# Altium PCB LORAGATEWAY.PcbDoc (part 2 of 2) (continued)
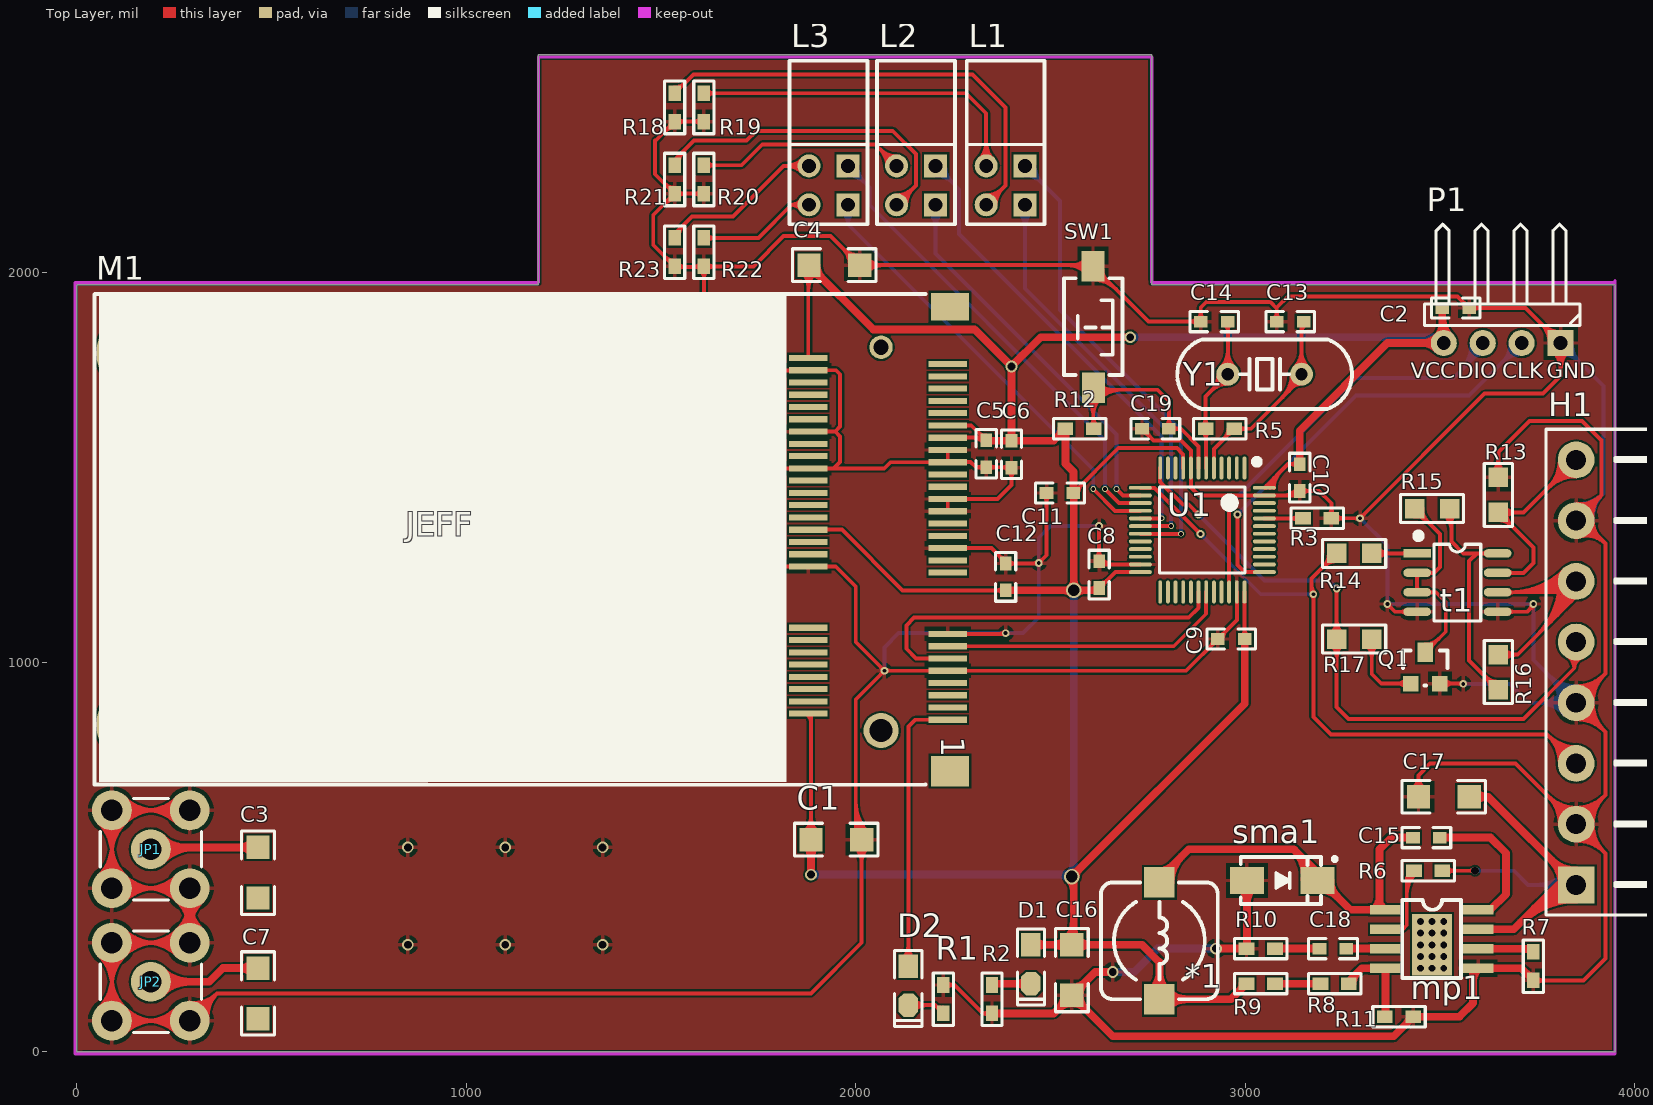
[diagram p0: Top Layer view]
## Nets (pads, with @x,y where several pads share a name; then routed paths per layer and width w, separated by ;. In a path a pad name is that pad's centre, name@x,y a point inside that pad or via, vN(x,y) a via of type N, cw(c..) or ccw(c..) an arc to the next point about the centre after c; other vN are vias at no path point) (continued)
Net*1_1: *1.1 C15.2 mp1.1 sma1.2 | length 1393.6
  Top Layer w20: *1.1@2779.68,435 2779.68,444.68 2855,520 3125,520 ; *1.1@2779.68,464.37 ccw(c2779.68,511.89) 2813.29,478.29 ; *1.1@2789.06,435 cw(c2835.06,435) *1.1@2802.53,467.53 ; *1.1@2809.06,435 cw(c2903.34,435) 2836.67,501.67 ; sma1.2@3152.38,442.58 ccw(c3057.63,452.62) 3125,520 ; 3154.62,490.38 cw(c3111.18,446.94) sma1.2@3172.27,440.47 ; sma1.2@3194.41,415.55 cw(c3194.41,355.1) 3237.15,397.85 ; sma1.2@3218.86,440 ccw(c3276.46,440) 3235.73,399.27 ; mp1.1@3331.16,365.97 ccw(c3297.75,399.38) 3345,399.38 ; mp1.1@3332.36,366.49 ccw(c3331.8,379.68) 3345,379.68 ; mp1.1@3360,364.68 mp1.1@3359.69,365 ; C15.2@3431,550 3375,550 3345,520 3345,379.68 ; 3125,520 3185.55,459.45 sma1.2@3185.55,440 3195,440 3270,365 mp1.1@3359.69,365 ; 3345,379.68 mp1.1@3359.69,365
NetC15_1: C15.1 mp1.8 | length 380.2
  Top Layer w20: C15.1@3500,550 3630,550 3670,510 3670,405 3629.69,364.68 mp1.8@3598.11,364.68
NetC18_1: C18.1 mp1.3 | length 99.7
  Top Layer w20: C18.1@3260,265 mp1.3@3359.68,265
NetC18_2: C18.2 R10.1 | length 114.5
  Top Layer w20: R10.1@3076.5,265 C18.2@3191,265
NetD1_2: D1.2 R2.1 | length 158.3
  Top Layer w20: R2.1@2350,171.5 2353.5,175 D1.2@2450,175 ; D1.2@2439.39,164.39 ccw(c2413.79,138.79) 2413.79,175 ccw(c2413.79,211.21) D1.2@2439.39,185.61
NetD2_1: D2.1 M1.1 | length 799.4
  Top Layer w10: D2.1@2120.86,239.14 ccw(c2086.72,273.28) 2135,273.28 ccw(c2183.28,273.28) D2.1@2149.14,239.14 ; D2.1@2135,220 2135,835 2152.56,852.56 M1.1@2236.26,852.56
NetD2_2: D2.2 R1.1 | length 208.9
  Top Layer w10: D2.2@2135,120 2203.5,120 ; D2.2@2149.14,105.86 cw(c2183.28,71.72) 2183.28,120 cw(c2183.28,168.28) D2.2@2149.14,134.14 ; R1.1@2209.66,113.84 cw(c2198.57,102.75) R1.1@2214.25,102.75 ; R1.1@2223.45,113.39 cw(c2220.06,136.56) 2203.5,120 ; R1.1@2225,98.5 2203.5,120
NetD3_2: L2.4 R20.2 | length 728.8
  Top Layer w10: R20.2@1610,2276.5 1706.5,2276.5 1760,2330 2050,2330 L2.4@2105,2275 ; R20.2@1617.6,2268.9 cw(c1635.95,2250.55) 1635.95,2276.5 cw(c1635.95,2302.45) R20.2@1617.6,2284.1 ; L2.4@2080.47,2275 ccw(c2021.26,2275) 2063.13,2316.87 ccw(c2105,2358.74) L2.4@2105,2299.53 ; L2.4@2090.47,2275 ccw(c2055.4,2275) 2080.2,2299.8 ccw(c2105,2324.6) L2.4@2105,2289.53
NetL1_1: L1.4 R19.1 | length 1070.2
  Top Layer w10: R19.1@1610,2461.5 2283.5,2461.5 2335,2410 L1.4@2335,2275 ; R19.1@1617.6,2453.9 cw(c1635.95,2435.55) 1635.95,2461.5 cw(c1635.95,2487.45) R19.1@1617.6,2469.1 ; L1.4@2317.66,2292.34 ccw(c2275.79,2334.21) 2335,2334.21 ccw(c2394.21,2334.21) L1.4@2352.34,2292.34 ; L1.4@2324.73,2285.27 ccw(c2299.93,2310.07) 2335,2310.07 ccw(c2370.07,2310.07) L1.4@2345.27,2285.27
NetL1_2: L1.2 R18.1 | length 1364.9
  Top Layer w10: R18.1@1535,2461.5 1583.5,2510 2300,2510 2385,2425 2385,2225 L1.2@2335,2175 ; R18.1@1535,2476.5 ccw(c1535,2512.71) 1560.61,2487.11 ; R18.1@1545.75,2465.75 cw(c1561.43,2465.75) R18.1@1550.34,2476.84 ; L1.2@2335,2189.53 ccw(c2335,2224.6) 2359.8,2199.8 ccw(c2384.6,2175) L1.2@2349.53,2175 ; L1.2@2335,2199.53 ccw(c2335,2258.74) 2376.87,2216.87 ccw(c2418.74,2175) L1.2@2359.53,2175
NetL2_1: L3.4 R23.2 | length 616.4
  Top Layer w10: R23.2@1535,2090 1535,2100 1580,2145 1685,2145 1815,2275 L3.4@1880,2275 ; R23.2@1535,2105 ccw(c1535,2117.07) R23.2@1543.54,2108.54 ; R23.2@1545.75,2094.25 cw(c1585.57,2094.25) 1557.41,2122.41 ; L3.4@1862.66,2257.66 ccw(c1820.79,2215.79) 1820.79,2275 ccw(c1820.79,2334.21) L3.4@1862.66,2292.34 ; L3.4@1869.73,2264.73 ccw(c1844.93,2239.93) 1844.93,2275 ccw(c1844.93,2310.07) L3.4@1869.73,2285.27
NetL2_2: L2.2 R21.2 | length 1045.1
  Top Layer w10: R21.2@1535,2276.5 1535,2290 1585,2340 1720,2340 1745,2365 2095,2365 2155,2305 2155,2225 L2.2@2105,2175 ; R21.2@1535.75,2280.75 cw(c1559.88,2280.75) 1542.82,2297.82 ; R21.2@1545.75,2280.75 cw(c1594.02,2280.75) 1559.89,2314.89 ; L2.2@2105,2189.53 ccw(c2105,2224.6) 2129.8,2199.8 ccw(c2154.6,2175) L2.2@2119.53,2175 ; L2.2@2105,2199.53 ccw(c2105,2258.74) 2146.87,2216.87 ccw(c2188.74,2175) L2.2@2129.53,2175
NetL3_1: L3.2 R22.2 | length 403.9
  Top Layer w10: R22.2@1610,2090 1750,2090 1835,2175 ; R22.2@1617.6,2082.4 cw(c1635.95,2064.05) 1635.95,2090 cw(c1635.95,2115.95) R22.2@1617.6,2097.6 ; L3.2@1859.39,2161.71 ccw(c1835,2145.99) 1835,2175 ; L3.2@1859.39,2188.29 cw(c1835,2204.01) 1835,2175 ; L3.2@1880,2175 1835,2175
NetM1_34: 
Netmp1_2: mp1.2 R6.2 | length 360
  Top Layer w10: mp1.2@3360,314.68 3360.31,315 3405,315 3415,325 3415,446.5 ; mp1.2@3392.38,309.87 cw(c3404.76,297.48) 3404.76,315 ; mp1.2@3392.38,319.5 ccw(c3403.24,330.37) 3403.24,315 ; 3415,404.65 cw(c3489.59,404.65) R6.2@3436.85,457.4 ; 3415,428.8 cw(c3465.45,428.8) R6.2@3429.78,464.47 ; R6.2@3418.16,449.66 cw(c3429.25,438.57) R6.2@3429.25,454.25 ; R6.2@3418.94,461.96 cw(c3403.96,457.55) 3415,446.5 ; R6.2@3433.5,465 3415,446.5
Netmp1_4: mp1.4 R8.1 R11.2 | length 285.3
  Top Layer w20: R8.1@3266.5,175 3266.5,181.5 3299.69,214.68 mp1.4@3360,214.68 3360,91.5 R11.2@3358.5,90 ; R8.1@3276.5,175 cw(c3316.33,175) 3288.17,203.17 ; R11.2@3354.44,94.06 ccw(c3341,107.5) 3360,107.5
Netmp1_6: mp1.6 R7.2 | length 166.7
  Top Layer w20: mp1.6@3598.11,264.68 3731.82,264.68 R7.2@3740,256.5 ; 3716.63,264.68 cw(c3716.63,237.38) R7.2@3735.94,256.69
NetQ1_1: Q1.1 R17.2 | length 332.7
  Top Layer w10: R17.2@3310.86,1045.86 cw(c3276.72,1011.72) 3325,1011.72 cw(c3373.28,1011.72) R17.2@3339.14,1045.86 ; R17.2@3325,1060 3325,970 3349.37,945.63 Q1.1@3424.88,945.63 ; Q1.1@3414.28,935.02 ccw(c3388.67,909.42) 3388.67,945.63 ccw(c3388.67,981.84) Q1.1@3414.28,956.24
NetQ1_3: Q1.3 R15.2 t1.2 t1.3 | length 766.6
  Top Layer w10: R15.2@3435,1375 cw(c3435,1326.72) 3469.14,1360.86 cw(c3503.28,1395) R15.2@3455,1395 ; R15.2@3435,1395 3500,1330 3500,1245 3485,1230 t1.2@3441.65,1230 t1.3@3441.65,1180 3490,1180 3515,1155 3515,1078.75 Q1.3@3461.88,1025.63 ; t1.3@3437.53,1184.12 ccw(c3427.59,1194.07) 3441.65,1194.07 ccw(c3455.72,1194.07) t1.3@3445.77,1184.12 ; t1.2@3437.53,1225.88 cw(c3427.59,1215.93) 3441.65,1215.93 cw(c3455.72,1215.93) t1.2@3445.77,1225.88 ; Q1.3@3461.88,1035.63 ccw(c3461.88,1059.77) Q1.3@3478.95,1042.7 ; Q1.3@3461.88,1045.63 ccw(c3461.88,1093.91) 3496.02,1059.77 ; t1.3@3470.38,1175.88 cw(c3480.33,1165.93) 3480.33,1180 cw(c3480.33,1194.07) t1.3@3470.38,1184.12 ; t1.2@3470.38,1225.88 cw(c3480.33,1215.93) 3480.33,1230 cw(c3480.33,1244.07) t1.2@3470.38,1234.12 ; Q1.3@3476.88,1030.63 cw(c3501.02,1030.63) 3483.95,1047.7
NetR8_2: R8.2 R9.1 | length 117
  Top Layer w20: R9.1@3076.5,175 R8.2@3193.5,175
NetR14_2: R14.2 t1.1 | length 214.6
  Top Layer w10: R14.2@3325,1280 t1.1@3441.65,1280 ; R14.2@3339.14,1265.86 cw(c3373.28,1231.72) 3373.28,1280 cw(c3373.28,1328.28) R14.2@3339.14,1294.14 ; t1.1@3412.93,1275.88 ccw(c3402.98,1265.93) 3402.98,1280 ccw(c3402.98,1294.07) t1.1@3412.93,1284.12
NewNet: C7.1 JP2.1 | length 521.5
  Top Layer w20: JP2.1@190,180 340,180 375,215 C7.1@465,215 ; JP2.1@219.12,150.88 cw(c289.42,80.58) 289.42,180 cw(c289.42,279.42) JP2.1@219.12,209.12 ; C7.1@450.86,200.86 ccw(c416.72,166.71) 416.72,215 ccw(c416.72,263.28) C7.1@450.86,229.14
NewNet2: C3.1 JP1.1 | length 562.7
  Top Layer w20: JP1.1@190,520 195,525 C3.1@465,525 ; JP1.1@204.98,505.02 cw(c253.2,456.8) 253.2,525 ; JP1.1@219.12,490.88 cw(c301.49,408.51) 301.49,525 ; JP1.1@219.12,549.12 ccw(c277.35,607.35) 277.35,525 ; C3.1@450.86,510.86 ccw(c416.72,476.71) 416.72,525 ccw(c416.72,573.28) C3.1@450.86,539.14
OSCIN: C13.1 R5.2 U1.5 Y1.2 | length 933.2
  Top Layer w10: U1.5@2919.53,1499.29 2919.53,1548.03 R5.2@2971.5,1600 3015,1600 3144.49,1729.49 Y1.2@3144.49,1740 3144.49,1869.49 C13.1@3150,1875 ; 2945.89,1574.39 ccw(c2920.29,1600) R5.2@2956.5,1600 ; R5.2@2956.16,1584.66 cw(c2967.25,1573.57) R5.2@2967.25,1589.25 ; R5.2@2983.35,1592.4 cw(c3001.7,1574.05) 3001.7,1600 cw(c3001.7,1625.95) R5.2@2983.35,1607.6 ; 3095.18,1680.18 ccw(c3035.37,1740) Y1.2@3119.96,1740 ; 3112.26,1697.26 ccw(c3069.51,1740) Y1.2@3129.96,1740 ; 3120.56,1705.56 cw(c3144.49,1681.64) Y1.2@3144.49,1715.47 ; Y1.2@3127.14,1757.34 ccw(c3085.27,1799.21) 3144.49,1799.21 ccw(c3203.7,1799.21) Y1.2@3161.83,1757.34 ; 3129.33,1714.33 ccw(c3103.65,1740) Y1.2@3139.96,1740 ; Y1.2@3134.22,1750.27 ccw(c3109.42,1775.07) 3144.49,1775.07 ccw(c3179.56,1775.07) Y1.2@3154.76,1750.27 ; C13.1@3140.43,1867.93 cw(c3130.63,1858.13) 3144.49,1858.13 ; 3144.49,1843.59 cw(c3178.91,1843.59) C13.1@3154.57,1867.93
OSCOUT: C14.1 R5.1 U1.6 Y1.1 | length 813.8
  Top Layer w10: R5.1@2890.9,1592.4 cw(c2869.31,1570.81) 2899.84,1570.81 ; R5.1@2890.9,1607.6 ccw(c2872.55,1625.95) 2898.5,1625.95 ccw(c2924.45,1625.95) R5.1@2906.1,1607.6 ; R5.1@2898.5,1600 2898.5,1682.99 Y1.1@2955.51,1740 2955.51,1874.49 C14.1@2955,1875 ; U1.6@2899.84,1499.29 R5.1@2899.84,1598.66 ; 2899.84,1577.29 cw(c2921.21,1577.29) R5.1@2906.1,1592.4 ; Y1.1@2930.98,1740 cw(c2871.77,1740) 2913.64,1698.13 cw(c2955.51,1656.26) Y1.1@2955.51,1715.47 ; Y1.1@2938.17,1757.34 ccw(c2896.3,1799.21) 2955.51,1799.21 ccw(c3014.73,1799.21) Y1.1@2972.86,1757.34 ; Y1.1@2940.98,1740 cw(c2905.91,1740) 2930.71,1715.2 cw(c2955.51,1690.4) Y1.1@2955.51,1725.47 ; Y1.1@2945.24,1750.27 ccw(c2920.44,1775.07) 2955.51,1775.07 ccw(c2990.58,1775.07) Y1.1@2965.78,1750.27 ; C14.1@2947.93,1867.93 cw(c2929.62,1849.62) 2955.51,1849.62 ; 2955.51,1852.09 cw(c2977.91,1852.09) C14.1@2962.07,1867.93
PA0: U1.10
PA1: U1.11
PA4: L2.1 U1.14 | length 1138.2
  Top Layer w10: v4(2670,1445) 2686.42,1428.58 U1.14@2730.71,1428.58
  Bottom Layer w10: L2.1@2187.66,2157.66 cw(c2145.79,2115.79) 2205,2115.79 cw(c2264.21,2115.79) L2.1@2222.34,2157.66 ; L2.1@2194.73,2164.73 cw(c2169.93,2139.93) 2205,2139.93 cw(c2240.07,2139.93) L2.1@2215.27,2164.73 ; L2.1@2205,2175 2205,2050 2670,1585 v4(2670,1445)
PA5: L3.3 U1.15 | length 1357.1
  Top Layer w10: v4(2640,1445) 2676.1,1408.9 U1.15@2730.71,1408.9
  Bottom Layer w10: L3.3@1980,2250.47 cw(c1980,2191.26) 2021.87,2233.13 cw(c2063.74,2275) L3.3@2004.53,2275 ; L3.3@1980,2260.47 cw(c1980,2225.4) 2004.8,2250.2 cw(c2029.6,2275) L3.3@1994.53,2275 ; L3.3@1980,2275 2035,2220 2035,2175 2640,1570 v4(2640,1445)
PA6: L3.1 U1.16 | length 1247.2
  Top Layer w10: v4(2610,1445) 2665.79,1389.21 U1.16@2730.71,1389.21
  Bottom Layer w10: L3.1@1964.99,2155.6 cw(c1941.31,2125) 1980,2125 ; L3.1@1971.11,2163.51 cw(c1957.08,2145.39) 1980,2145.39 cw(c2002.92,2145.39) L3.1@1988.89,2163.51 ; L3.1@1980,2175 1980,2125 ; L3.1@1995.01,2155.6 ccw(c2018.69,2125) 1980,2125 ; v4(2610,1445) 2610,1495 1980,2125
PA7: L2.3 U1.17 | length 1347.8
  Top Layer w10: U1.17@2730.71,1369.53 2784.53,1369.53 v4(2785,1370)
  Bottom Layer w10: L2.3@2205,2250.47 cw(c2205,2191.26) 2246.87,2233.13 cw(c2288.74,2275) L2.3@2229.53,2275 ; L2.3@2205,2260.47 cw(c2205,2225.4) 2229.8,2250.2 cw(c2254.6,2275) L2.3@2219.53,2275 ; L2.3@2205,2275 2265,2215 2265,2100 2785,1580 v4(2785,1370)
PB0: L1.1 U1.18 | length 1207.8
  Top Layer w10: U1.18@2730.71,1349.84 2809.84,1349.84 v4(2810,1350)
  Bottom Layer w10: L1.1@2417.66,2157.66 cw(c2375.79,2115.79) 2435,2115.79 cw(c2494.21,2115.79) L1.1@2452.34,2157.66 ; L1.1@2424.73,2164.73 cw(c2399.93,2139.93) 2435,2139.93 cw(c2470.07,2139.93) L1.1@2445.27,2164.73 ; L1.1@2435,2175 2435,1960 2810,1585 v4(2810,1350)
PB1: L1.3 U1.19 | length 1362.7
  Top Layer w10: U1.19@2730.71,1330.16 v4(2834.84,1330.16)
  Bottom Layer w10: L1.3@2435,2250.47 cw(c2435,2191.26) 2476.87,2233.13 cw(c2518.74,2275) L1.3@2459.53,2275 ; L1.3@2435,2260.47 cw(c2435,2225.4) 2459.8,2250.2 cw(c2484.6,2275) L1.3@2449.53,2275 ; L1.3@2435,2275 2525,2185 2525,1905 2834.84,1595.16 v4(2834.84,1330.16)
PB5: U1.41
PB6: U1.42
PB7: U1.43
PB12: U1.25
PB13: U1.26
PB14: U1.27
PC13: U1.2
PC14: U1.3
PC15: U1.4
RESET: C19.2 R12.1 SW1.2 U1.7 | length 933.4
  Top Layer w10: SW1.2@2592.66,1677.81 cw(c2550.79,1635.94) 2610,1635.94 cw(c2669.21,1635.94) 2627.34,1677.81 cw(c2680.91,1624.25) 2680.91,1700 ; SW1.2@2599.73,1684.88 cw(c2574.93,1660.08) 2610,1660.08 cw(c2645.07,1660.08) 2620.27,1684.88 cw(c2656.76,1648.39) 2656.76,1700 ; R12.1@2603.9,1607.6 ccw(c2589.17,1622.33) 2610,1622.33 ; 2610,1629.57 ccw(c2641.07,1629.57) R12.1@2619.1,1607.6 ; R12.1@2611.5,1600 2610,1601.5 SW1.2@2610,1705 2615,1700 2775,1700 2804,1671 C19.2@2804,1600 2835,1600 2880.16,1554.84 U1.7@2880.16,1499.29 ; SW1.2@2627.34,1712.5 ccw(c2657.52,1742.68) 2657.52,1700 ; C19.2@2796.93,1607.07 ccw(c2779.86,1624.14) 2804,1624.14 ccw(c2828.14,1624.14) C19.2@2811.07,1607.07 ; C19.2@2813.57,1592.93 cw(c2830.64,1575.86) 2830.64,1600 cw(c2830.64,1624.14) C19.2@2813.57,1607.07
RX: M1.13 U1.31 | length 754.1
  Top Layer w10: M1.13@2236.26,1041.54 2816.54,1041.54 2900,1125 2899.84,1125.16 U1.31@2899.84,1180.71
RX2: H1.3 R14.1 U1.13 | length 2280.3
  Top Layer w10: U1.13@2730.71,1448.27 2766.73,1448.27 v2(2885,1330) v2@2890,1330 ; v2@2880,1330 ccw(c2867.93,1330) 2876.46,1338.54 ccw(c2885,1347.07) v2@2885,1335 ; v2@3170,1175 3170,1215 R14.1@3235,1280 ; 3170,1199.14 ccw(c3199.14,1199.14) v2@3178.54,1178.54 ; v2@3171.46,1171.46 cw(c3162.93,1162.93) 3175,1162.93 cw(c3187.07,1162.93) v2@3178.54,1171.46 ; v2(3175,1175) 3175,860 3220,815 3775.47,815 H1.3@3850,740.47 ; R14.1@3215,1280 cw(c3166.72,1280) 3200.86,1245.86 cw(c3235,1211.72) R14.1@3235,1260 ; H1.3@3807.76,740.47 ccw(c3705.77,740.47) 3777.88,812.59 ccw(c3850,884.7) H1.3@3850,782.72 ; H1.3@3817.76,740.47 ccw(c3739.91,740.47) 3794.96,795.52 ccw(c3850,850.56) H1.3@3850,772.72 ; H1.3@3827.76,740.47 ccw(c3774.05,740.47) 3812.03,778.45 ccw(c3850,816.42) H1.3@3850,762.72
  Bottom Layer w10: v2@2885,1325 cw(c2885,1312.93) 2893.54,1321.46 cw(c2902.07,1330) 2890,1330 v2(2885,1330) 3040,1175 v2(3175,1175) ; v2@3171.46,1171.46 ccw(c3162.93,1162.93) 3162.93,1175 ccw(c3162.93,1187.07) v2@3171.46,1178.54
SWDCLK: P1.2 U1.37 | length 1335
  Top Layer w10: v2@2976.46,1376.46 cw(c2967.93,1367.93) 2980,1367.93 cw(c2992.07,1367.93) v2@2983.54,1376.46 ; v2(2980,1380) 2980,1250 2998.27,1231.73 U1.37@3049.29,1231.73
  Bottom Layer w10: v2(2980,1380) 3285,1685 3575,1685 P1.2@3710,1820 ; v2@2980,1385 ccw(c2980,1397.07) 2988.54,1388.54 ccw(c2997.07,1380) v2@2985,1380 ; P1.2@3681.54,1820 cw(c3612.82,1820) 3661.41,1771.41 cw(c3710,1722.82) P1.2@3710,1791.54 ; P1.2@3691.54,1820 cw(c3646.96,1820) 3678.48,1788.48 cw(c3710,1756.96) P1.2@3710,1801.54
SWDIO: P1.3 U1.34 | length 1302.7
  Top Layer w10: U1.34@2958.9,1180.71 2958.9,1403.9 v2(2960,1405) ; 2958.9,1390.27 cw(c2974.73,1390.27) v2@2963.54,1401.46
  Bottom Layer w10: v2(2960,1405) 3285,1730 3535,1730 3610,1805 P1.3@3610,1820 ; v2@2960,1410 ccw(c2960,1422.07) 2968.54,1413.54 ccw(c2977.07,1405) v2@2965,1405 ; 3550.8,1745.8 ccw(c3476.6,1820) P1.3@3581.54,1820 ; 3567.87,1762.87 ccw(c3510.75,1820) P1.3@3591.54,1820 ; 3584.94,1779.94 ccw(c3544.89,1820) P1.3@3601.54,1820 ; 3587.01,1782.01 cw(c3610,1759.03) P1.3@3610,1791.54
TX: M1.11 U1.30 | length 986
  Top Layer w10: M1.11@2236.26,1010.04 2236.22,1010 2155,1010 2130,1035 2130,1095 2150,1115 2855,1115 2880.16,1140.16 U1.30@2880.16,1180.71
TX2: H1.5 R17.1 U1.12 | length 2010.6
  Top Layer w10: U1.12@2781.73,1499.29 2781.73,1463.27 2840,1405 2855,1405 v2(2880,1380) ; v2@2875,1380 ccw(c2862.93,1380) 2871.46,1388.54 ccw(c2880,1397.07) v2@2880,1385 ; R17.1@3220.86,1045.86 cw(c3186.72,1011.72) 3235,1011.72 cw(c3283.28,1011.72) R17.1@3249.14,1045.86 ; R17.1@3220.86,1074.14 ccw(c3186.72,1108.28) 3235,1108.28 ccw(c3283.28,1108.28) R17.1@3249.14,1074.14 ; v2@3231.46,1186.46 cw(c3222.93,1177.93) 3235,1177.93 cw(c3247.07,1177.93) v2@3238.54,1186.46 ; v2(3235,1190) R17.1@3235,1060 3235,885 3265,855 3715,855 3845,985 3845,1047.28 H1.5@3850,1052.28 ; H1.5@3827.49,1016.54 cw(c3807.52,984.82) 3845,984.82 cw(c3874.55,984.82) H1.5@3864.45,1012.59 ; H1.5@3832.82,1025 cw(c3818.92,1002.93) 3845,1002.93 ; 3845,999.1 cw(c3869.35,999.1) H1.5@3861.03,1021.98
  Bottom Layer w10: v2@2880,1375 cw(c2880,1362.93) 2888.54,1371.46 cw(c2897.07,1380) v2@2885,1380 ; v2(2880,1380) 3050,1210 3215,1210 v2(3235,1190) ; v2@3230,1190 ccw(c3217.93,1190) 3226.46,1198.54 ccw(c3235,1207.07) v2@3235,1195
VCC3.3: R15.1 R16.2 t1.8 | length 813.3
  Top Layer w10: R15.1@3510.86,1380.86 cw(c3464.64,1334.64) 3530,1334.64 ; R15.1@3517.93,1387.93 cw(c3488.79,1358.79) 3530,1358.79 cw(c3561.21,1358.79) R15.1@3539.14,1380.86 ; R15.1@3525,1395 3530,1390 3530,1310 3560,1280 3595,1280 ; t1.8@3619.62,1275.88 ccw(c3609.67,1265.93) 3609.67,1280 ccw(c3609.67,1294.07) t1.8@3619.62,1284.12 ; R16.2@3630,930 ccw(c3581.72,930) 3615.86,964.14 ccw(c3650,998.28) R16.2@3650,950 ; t1.8@3648.35,1280 3595,1280 ; R16.2@3650,930 3575,1005 3575,1260 3595,1280
VCC3V3: *1.2 C1.2 C2.2 C4.1 C5.1 C6.2 C8.2 C9.2 C10.2 C11.2 C12.1 C16.1 D1.1 M1.2 M1.24 M1.39 M1.41 M1.52 P1.4 R9.2 R12.2 U1.9 U1.24 U1.36 U1.48 | length 10661.6
  Top Layer w10: C4.1@1862.32,2002.33 cw(c1824.5,1964.5) 1877.99,1964.5 ; C1.2@1867.32,562.67 ccw(c1824.64,605.35) 1885,605.35 ccw(c1945.35,605.35) C1.2@1902.68,562.67 ; C4.1@1869.39,2009.4 cw(c1848.64,1988.64) 1877.99,1988.64 ; C1.2@1874.39,555.6 ccw(c1848.79,581.21) 1885,581.21 ccw(c1921.21,581.21) C1.2@1895.61,555.6 ; M1.2@1875.96,866.27 cw(c1854.14,844.45) 1885,844.45 ; M1.2@1877.99,868.31 1885,861.3 C1.2@1885,545 ; M1.24@1877.99,1340.75 1964.25,1340.75 2120,1185 C12.1@2385,1185 ; M1.52@1877.99,1781.69 1877.99,2017.99 C4.1@1880,2020 ; 1877.99,1954.8 cw(c1945.21,1954.8) C4.1@1897.68,2002.33 ; 1877.99,1978.94 cw(c1921.07,1978.94) C4.1@1890.61,2009.4 ; M1.39@2236.26,1576.97 C5.1@2328.03,1576.97 ; M1.41@2236.26,1608.47 2296.53,1608.47 C5.1@2328.03,1576.97 ; 2300.07,1576.97 cw(c2300.07,1537.57) C5.1@2327.93,1565.43 ; 2313.66,1591.34 ccw(c2335,1612.68) C5.1@2335,1582.5 ; 2319.7,1585.3 cw(c2306.89,1572.5) C5.1@2325,1572.5 ; C5.1@2335,1570 C5.1@2328.03,1576.97 ; C12.1@2377.93,1177.93 ccw(c2360.86,1160.86) 2360.86,1185 ccw(c2360.86,1209.14) C12.1@2377.93,1192.07 ; C11.2@2559,1435 2674,1550 2825,1550 2840.79,1534.21 U1.9@2840.79,1499.29 ; C11.2@2561.5,1445 ccw(c2561.5,1463.11) 2574.3,1450.3 ; C11.2@2571.5,1435 cw(c2601.68,1435) 2580.34,1456.34 ; C8.2@2625,1191 2626,1191 2666.73,1231.73 U1.24@2730.71,1231.73 ; C8.2@2625,1203.5 ccw(c2625,1236.09) 2648.05,1213.05 ; C8.2@2635,1193.5 cw(c2650.69,1193.5) C8.2@2639.6,1204.6 ; C9.2@2991.93,1067.07 ccw(c2976.63,1082.37) 2998.27,1082.37 ; 2998.27,1085.91 ccw(c3024.91,1085.91) C9.2@3006.07,1067.07 ; U1.36@2998.27,1180.71 2998.27,1060.73 C9.2@2999,1060 ; U1.48@3049.29,1448.27 3110.02,1509 C10.2@3140,1509 ; U1.48@3053.82,1448.27 cw(c3064.75,1448.27) 3057.02,1456 ; U1.48@3063.82,1448.27 cw(c3098.89,1448.27) 3074.09,1473.07 ; U1.48@3073.82,1448.27 cw(c3133.03,1448.27) 3091.16,1490.14 ; C10.2@3132.93,1501.93 ccw(c3115.86,1484.86) 3115.86,1509 ccw(c3115.86,1533.14) C10.2@3132.93,1516.07
  Top Layer w20: C1.2@1870.86,530.85 cw(c1836.71,496.71) 1885,496.71 cw(c1933.28,496.72) C1.2@1899.14,530.85 ; C4.1@1880,2000 cw(c1880,1951.72) 1914.14,1985.86 cw(c1948.29,2020) C4.1@1900,2020 ; C4.1@1880,2020 2045,1855 2305,1855 v3(2400,1760) ; v3(1885,455) C1.2@1885,545 ; C5.1@2335,1570 2336,1569 C6.2@2400,1569 ; C12.1@2385,1185 C8.2@2619,1185 ; D1.1@2450,275 C16.1@2555,275 2735,275 2779.68,230.32 *1.2@2779.68,135 2963.5,135 R9.2@3003.5,175 ; D1.1@2460.61,264.39 cw(c2486.21,238.79) 2486.21,275 cw(c2486.22,311.22) D1.1@2460.61,285.61 ; 2521.43,1582.93 ccw(c2504.36,1600) R12.2@2528.5,1600 ; R12.2@2533.75,1595.25 2507.5,1569 C6.2@2400,1569 ; R12.2@2538.5,1590.5 2538.5,1510 2559,1489.5 C11.2@2559,1435 2560,1434 v5(2560,1185) ; C16.1@2540.86,260.86 ccw(c2506.72,226.71) 2506.72,275 ccw(c2506.72,323.28) 2540.86,289.14 ccw(c2494.66,335.35) 2560,335.35 ; v5@2547.93,442.93 cw(c2518.8,413.8) 2560,413.8 ; v5@2552.93,1177.93 ccw(c2535.86,1160.86) 2535.86,1185 ccw(c2535.86,1209.14) 2552.93,1192.07 ccw(c2535.86,1209.14) 2560,1209.14 ccw(c2584.14,1209.14) 2567.07,1192.07 ccw(c2584.14,1209.14) 2584.14,1185 ccw(c2584.14,1160.86) v5@2567.07,1177.93 ; v5(2555,450) 2999,894 C9.2@2999,1060 ; v5@2555,460 ccw(c2555,484.15) 2572.07,467.07 ccw(c2589.15,450) v5@2565,450 ; C16.1@2560,280 v5@2560,455 ; 2560,311.22 ccw(c2591.22,311.22) 2569.15,289.14 ccw(c2603.29,323.28) 2603.29,275 ccw(c2603.29,226.71) C16.1@2569.15,260.86 ; 2604.48,1185 ccw(c2604.48,1209.02) C8.2@2621.46,1192.04 ; v3(2705,1835) 2475,1835 v3(2400,1760) ; *1.2@2758.92,155.77 ccw(c2708.78,205.91) 2779.68,205.91 ccw(c2850.59,205.91) 2800.45,155.77 ccw(c2850.59,205.91) 2850.59,135 ccw(c2850.59,64.09) *1.2@2800.45,114.23 ; 2986.43,157.93 ccw(c2969.36,175) R9.2@2993.5,175 ; C10.2@3140,1509 3140,1595 3365,1820 P1.4@3510,1820 ; P1.4@3493.41,1803.41 ccw(c3453.35,1763.35) 3453.35,1820 ccw(c3453.35,1876.65) 3493.41,1836.59 ccw(c3463.01,1866.99) 3506,1866.99 ; P1.4@3506,1824 C2.2@3506,1910 ; 3506,1886.3 ccw(c3576.3,1886.3) P1.4@3526.59,1836.59 ; C6.2@2400,1569 v3(2400,1760)
  Bottom Layer w20: v3(1885,455) 2560,455 v5(2560,1185) ; 2518.8,455 cw(c2518.8,413.8) v5@2547.93,442.93 ; v5@2547.93,457.07 ccw(c2518.8,486.21) 2560,486.21 ; v5@2552.93,1177.93 cw(c2535.86,1160.86) 2560,1160.86 cw(c2584.14,1160.86) v5@2567.07,1177.93 ; v3(2705,1835) 3495,1835 P1.4@3510,1820 ; 3417.14,1835 cw(c3417.14,1727.14) P1.4@3493.41,1803.41 ; 3465.42,1835 cw(c3465.42,1775.42) P1.4@3507.55,1817.55
VCC_IN: C17.2 H1.1 mp1.7 R6.1 | length 2050.7
  Top Layer w10: R6.1@3506.5,465 v6(3590,465) ; R6.1@3518.35,457.4 cw(c3536.7,439.05) 3536.7,465 cw(c3536.7,490.95) R6.1@3518.35,472.6 ; v6@3586.46,461.46 ccw(c3577.93,452.93) 3577.93,465 ccw(c3577.93,477.07) v6@3586.46,468.54
  Top Layer w20: C17.2@3575,655 3623.66,655 H1.1@3850,428.66 3803.66,428.66 3689.69,314.68 mp1.7@3598.11,314.68 ; C17.2@3589.14,640.86 cw(c3623.29,606.72) 3623.29,655 cw(c3623.29,703.29) C17.2@3589.14,669.15 ; 3707.32,332.32 cw(c3850,189.63) H1.1@3850,391.42 ; 3741.46,366.46 cw(c3850,257.92) H1.1@3850,411.42 ; 3775.6,400.6 cw(c3850,326.2) H1.1@3850,431.42 ; H1.1@3812.76,428.66 ccw(c3722.84,428.66) 3786.42,492.24 ccw(c3850,555.82) H1.1@3850,465.91
  Bottom Layer w10: v6(3590,465) 3690,465 3726.34,428.66 H1.1@3850,428.66 ; v6@3593.54,461.46 cw(c3602.07,452.93) 3602.07,465 cw(c3602.07,477.07) v6@3593.54,468.54 ; H1.1@3820.13,398.79 ccw(c3748.01,326.68) 3748.01,428.66 ccw(c3748.01,530.65) H1.1@3820.13,458.53 ; H1.1@3827.2,405.86 ccw(c3772.16,350.82) 3772.16,428.66 ccw(c3772.16,506.51) H1.1@3827.2,451.46 ; H1.1@3834.27,412.93 ccw(c3796.3,374.96) 3796.3,428.66 ccw(c3796.3,482.36) H1.1@3834.27,444.39
pads on no net: C3.2 C7.2 M1.0 M1.3 M1.4 M1.5 M1.6 M1.7 M1.8 M1.10 M1.12 M1.14 M1.16 M1.17 M1.19 M1.20 M1.22 M1.23 M1.25 M1.26 M1.28 M1.30 M1.31 M1.32 M1.33 M1.36 M1.38 M1.42 M1.43 M1.44 M1.45 M1.46 M1.47 M1.48 M1.49 M1.51 M1.53 M1.54 M1.55 M1.56 mp1.0 U1.1 U1.21 U1.22 U1.28 U1.29 U1.32 U1.33 U1.38 U1.39 U1.40 U1.45 U1.46
copper on no net:
  other v1: 3450,214.68 3480,214.68 3510,214.68 3450,244.68 3480,244.68 3510,244.68 3450,274.68 3480,274.68 3510,274.68 3450,304.68 3480,304.68 3510,304.68 3450,334.68 3480,334.68 3510,334.68

## Polygon pours and split planes (outlines as drawn)
GND on Top Layer "Top Overlay-No Net" (solid, pour order 7): -5,-5 -5,1975 1195,1975 1180,1990 1180,2565 2735,2565 2750,2550 2750,1980 3945,1980 3955,1970 3955,5 15,5 5,-5
GND on Bottom Layer "Top Overlay-No Net" (solid, pour order 15): -5,-5 -5,1975 0,1980 1190,1980 1180,1990 1180,2560 2755,2560 2755,1980 2760,1975 3940,1975 3945,1970 3945,0 0,0 -5,-5

## Keep-outs
Keep-Out Layer:
  lines w8: -945,5850 -945,6280 ; 1185,2555 1185,1975 -5,1975 -5,-5 3950,-5 3950,1980 ; 1190,2555 2760,2555 2760,1975 3950,1975

## Silkscreen, mask and mechanical layers (free items; w line width, h text height)
Top Overlay:
  text "VCC" at 3425,1730 h40
  text "DIO" at 3545,1730 h40
  text "CLK" at 3660,1730 h40
  text "GND" at 3775,1730 h40

## Text inside footprints (layer, text, board x,y; h text height)
M1: Top Overlay "1" at 2219.78,809.26 h60 r270; Top Overlay "JEFF" at 845,1325 h60